# Altium PCB EASY-EAI-Nano-TB V1.01.PCBDOC (part 7 of 7)
Units mm, origin at the board's own origin, x right, y up, seen from the top; angles counter-clockwise.
Board outline 120 x 90 mm, 4 copper layers (Top Layer, GND, VCC, Bottom Layer); 667 components, 452 nets, 2251 pads, 1430 vias.
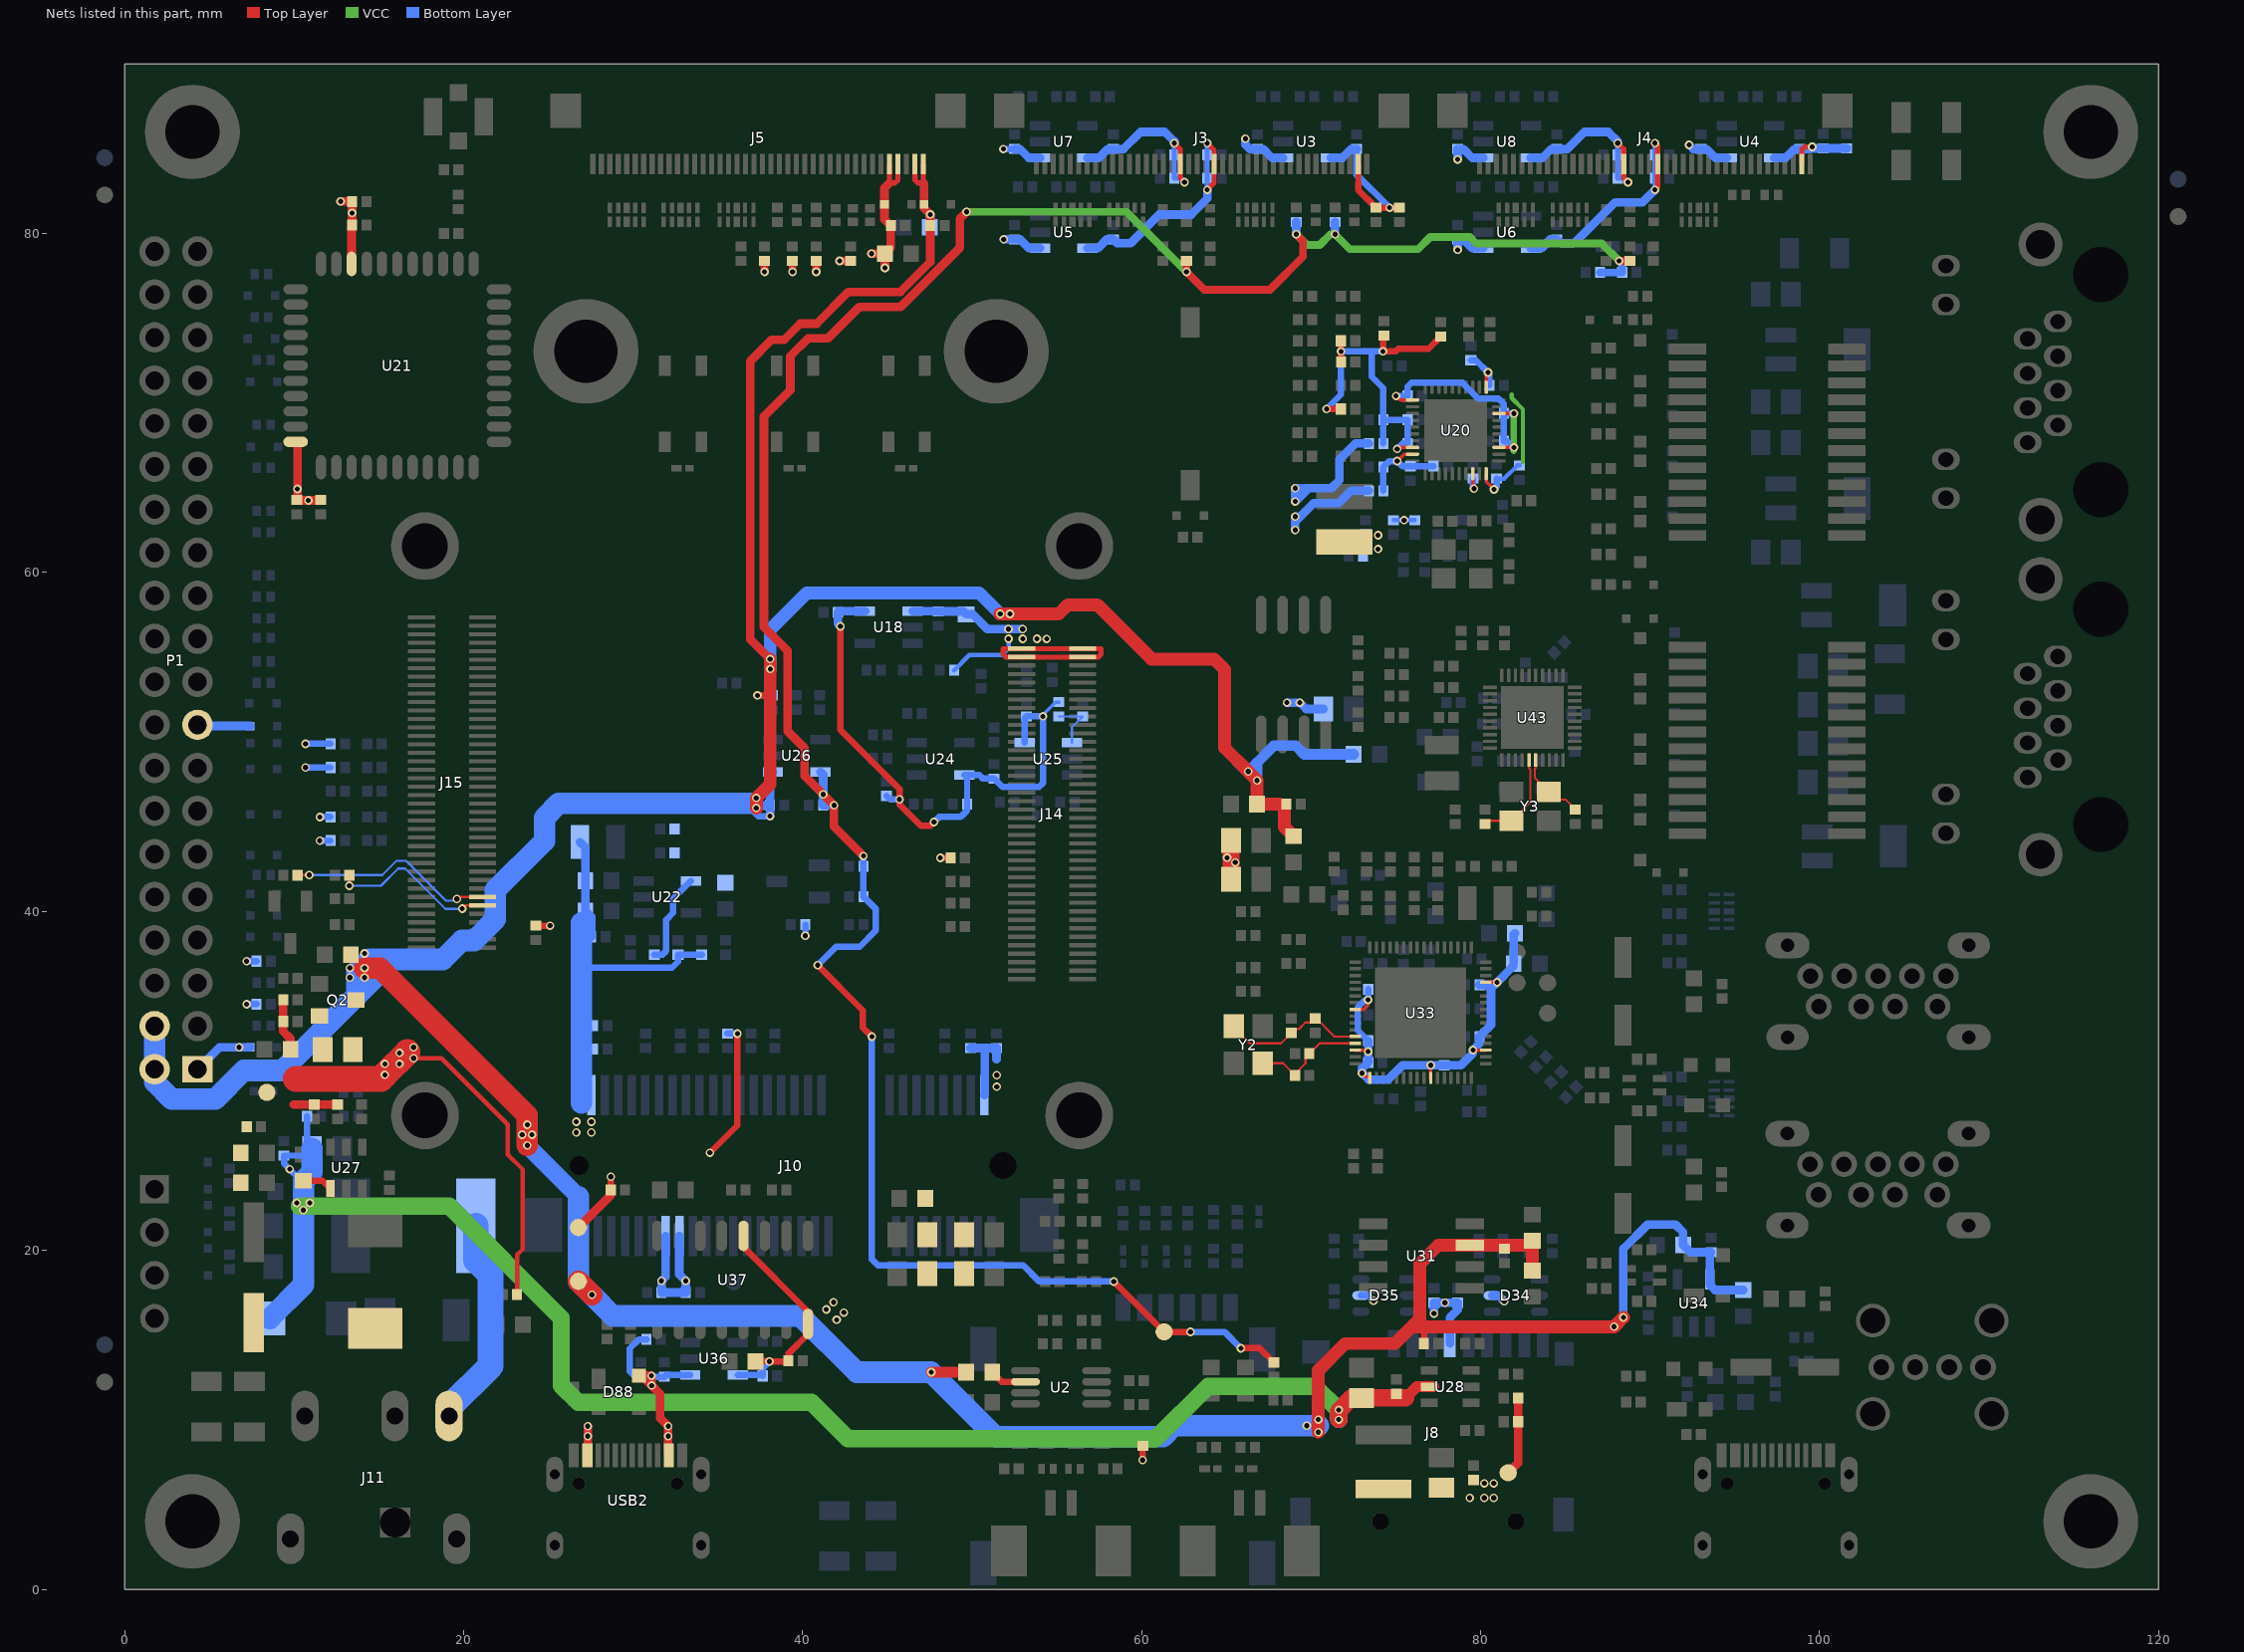
[diagram p9: the nets of this part, all layers, seen from the top]

## Via types
v1: diameter 0.508, hole 0.305, Top Layer to Bottom Layer, tented both sides, 1430 vias

## Nets (pads, with @x,y where several pads share a name; then routed paths per layer and width w, separated by ;. In a path a pad name is that pad's centre, name@x,y a point inside that pad or via, vN(x,y) a via of type N, cw(c..) or ccw(c..) an arc to the next point about the centre after c; other vN are vias at no path point) (continued)
VCC3V3: C15.2 C17.2 C23.2 C25.2 C31.2 C33.2 C55.2 C56.2 C90.2 C91.2 C93.2 C94.2 C95.2 C96.2 C149.2 C150.2 C151.2 D14.1 D34.5 D35.5 D45.2 D47.2 J5.4 J5.5 J8.4 L12.2 P1.1 P1.17 R5.2 R30.1 R31.1 R34.2 R39.1 R77.1 R82.1 R104.1 R108.1 R109.1 R110.1 R114.2 R124.2 R152.2 R156.1 R157.1 R158.1 R160.1 R224.1 R225.2 T6.1 U3.1 U4.1 U5.1 U6.1 U7.1 U8.1 U21.9 U21.22 | length 80.6
  Top Layer w0.305: J5.5@45.129,84.101 45.129,82.989 45.452,82.989 45.621,83.158 45.621,83.412 45.629,83.42 J5.4@45.629,84.101
  Top Layer w0.381: R124.2@24.257,39.16 v1(25.102,39.16) ; v1(48.134,43.162) R225.2@48.734,43.162 ; v1(60.071,7.62) R5.2@60.071,8.465
  Top Layer w0.457: v1(37.76,77.745) R34.2@37.76,78.392 ; v1(39.411,77.745) R30.1@39.411,78.392 ; v1(40.808,77.745) R31.1@40.808,78.392 ; v1(42.193,78.392) R224.1@42.84,78.392
  Top Layer w0.508: U21.22@10.095,67.714 10.2,67.609 v1(10.2,64.935) 10.2,64.256 v1(10.846,64.256) C95.2@11.597,64.256 ; v1(12.751,81.897) C93.2@13.428,81.897 v1(13.428,81.22) C94.2@13.428,80.5 13.395,80.467 U21.9@13.395,78.214 ; v1(44.072,78.817) C56.2@44.864,78.817 ; v1(44.864,77.977) C56.2@44.864,78.817 ; 45.129,82.989 44.834,82.694 D14.1@44.834,81.738 44.834,80.843 C55.2@45.209,80.468 45.209,79.162 C56.2@44.864,78.817 ; T6.1@81.634,6.879 82.223,7.467 C149.2@82.223,9.888 R152.2@82.223,11.285
  Top Layer w1.016: R158.1@65.287,41.892 R160.1@65.287,44.178
  Bottom Layer w0.381: v1(7.203,34.526) R156.1@7.785,34.526 ; v1(7.203,37.066) R157.1@7.785,37.066 ; v1(10.678,48.496) R104.1@12.16,48.496 ; v1(10.678,49.893) R108.1@12.16,49.893 ; v1(11.524,44.178) R110.1@12.16,44.178 ; v1(11.524,45.575) R109.1@12.16,45.575 ; v1(40.166,38.568) R114.2@40.166,39.225 ; v1(51.85,84.996) C31.2@52.492,84.996 ; D35.5@72.94,17.338 73.375,17.338 v1(73.684,17.028)
  Bottom Layer w0.508: P1.1@4.31,30.69 5.606,31.986 v1(6.763,31.986) D47.2@7.41,31.986 ; P1.17@4.31,51.01 4.373,50.947 D45.2@7.41,50.947 ; v1(51.876,79.662) C23.2@52.492,79.662 52.823,79.662 53.348,79.137 U5.1@54.013,79.137 ; C31.2@52.492,84.996 52.823,84.996 53.348,84.471 U7.1@54.013,84.471 ; v1(66.131,85.604) 66.131,85.257 66.392,84.996 C15.2@66.843,84.996 67.174,84.996 67.699,84.471 U3.1@68.364,84.471 ; v1(68.58,52.324) v1(69.342,52.324) 69.723,51.943 R39.1@70.738,51.943 ; v1(69.066,62.514) 69.066,62.996 ; R82.1@73.416,64.825 72.368,64.825 71.634,64.091 70.161,64.091 69.371,63.301 ; R77.1@73.416,67.619 72.623,67.619 71.682,66.678 71.682,65.46 71.199,64.977 69.853,64.977 ; v1(77.258,16.273) C91.2@77.258,16.913 v1(77.898,16.913) C90.2@78.655,16.913 78.655,16.492 78.187,16.024 J8.4@78.187,14.5 ; v1(78.654,79.046) C25.2@78.654,79.662 78.985,79.662 79.51,79.137 U6.1@80.175,79.137 ; v1(78.654,84.38) C33.2@78.654,84.996 78.985,84.996 79.51,84.471 U8.1@80.175,84.471 ; D34.5@80.687,17.338 81.055,17.338 v1(81.396,16.997) ; v1(92.308,85.238) 92.55,84.996 C17.2@93.005,84.996 93.336,84.996 93.861,84.471 U4.1@94.526,84.471 ; 69.066,62.996 v1(69.066,63.301) 69.371,63.301 ; 69.066,62.996 69.371,63.301 ; 69.853,64.977 v1(69.066,64.977) v1(69.066,64.19) 69.853,64.977
  other v1: 79.364,5.389 80.228,5.389 80.787,5.389 80.228,6.253 80.787,6.253 65.536,42.893 65.047,43.168
VCC3V3_CH340: C213.2 C215.2 C216.2 U36.5 U37.4 U37.16 | length 13.9
  Top Layer w0.381: U37.4@36.514,20.857 36.514,20.196 40.324,16.386 U37.16@40.324,15.657 40.324,15.057 39.168,13.901 C215.2@39.168,13.475 39.138,13.444 v1(38.045,13.444) ; C216.2@37.229,13.444 37.26,13.475 v1@38.045,13.475
  Bottom Layer w0.381: U36.5@36.176,12.655 37.587,12.655 C213.2@37.653,12.589 37.653,13.051 v1(38.045,13.444)
VCC3V3_PHY1: C77.2 C78.2 C79.2 C84.2 C85.2 R65.2 R67.2 R69.2 R82.2 R83.1 U20.11 U20.29 U20.40 | length 17.8
  Top Layer w0.203: v1(75.086,66.578) 75.489,66.981 U20.29@75.99,66.981 ; U20.40@80.34,65.831 80.34,65.362 v1(80.801,64.901) ; U20.11@80.34,70.931 80.34,71.705 v1(80.445,71.81)
  VCC w0.254: 81.835,70.514 81.835,70.293 82.499,69.629 82.499,66.53
  Bottom Layer w0.254: R65.2@74.857,63.091 R67.2@76.127,63.091 ; C78.2@80.953,65.543 81.395,65.543 82.172,66.32 R69.2@82.306,66.32
  Bottom Layer w0.381: R82.2@74.266,64.825 C77.2@74.266,66.222 74.622,66.578 v1(75.086,66.578) 75.397,66.266 C85.2@75.873,66.266 C84.2@77.219,66.266 ; R83.1@79.429,72.528 79.727,72.528 v1(80.445,71.81) 80.528,71.727 C79.2@80.528,71.048 ; v1(80.801,64.901) 80.953,65.054 C78.2@80.953,65.543
  other v1: 75.492,63.091
VCC5V0_BASE: C58.2 C60.2 C134.2 C135.2 C140.2 C141.1 C142.2 C143.2 C144.2 J14.77 J14.78 J14.79 J14.80 L11.2 Q2.2 R38.1 R143.1 R144.2 R146.2 R198.1 T5.1 U18.1 | length 54.3
  Top Layer w0.254: v1(17.053,31.339) 18.699,31.339 22.606,27.432 22.606,25.654 23.495,24.765 23.495,20.066 23.158,19.729 R198.1@23.158,17.399
  Top Layer w0.305: 51.837,55.17 51.997,55.01 J14.78@52.925,55.01 J14.77@56.524,55.01 57.452,55.01 57.611,55.17 57.611,55.51 J14.79@56.524,55.511 J14.80@52.925,55.511 51.837,55.51 51.837,55.17
  Top Layer w0.508: C135.2@9.364,34.78 R144.2@9.364,33.51 9.364,32.914 9.797,32.481 C134.2@9.797,31.859 ; 9.964,28.601 C140.2@11.186,28.601 R146.2@12.583,28.601
  Top Layer w1.524: 10.092,30.119 15.122,30.119 v1(15.36,30.357) 16.696,31.694
  Bottom Layer w0.254: R38.1@48.939,54.229 49.847,55.137 51.777,55.137 52.156,55.517 v1(52.156,56.091)
  Bottom Layer w0.508: U18.1@46.485,57.719 47.989,57.719 C60.2@48.006,57.702 49.494,57.702 C58.2@49.657,57.539 50.03,57.539 50.902,56.667 v1(52.146,56.667) v1(52.984,56.667)
  other v1: 15.36,31.004 16.223,31.004 16.223,31.652 17.053,31.986 52.994,56.091 53.833,56.091 54.407,56.083
VCC5V0_CH340: C211.2 C212.2 D88.4 R203.2 U36.1 USB2.A4 USB2.A9 USB2.B4 USB2.B9 | length 16.8
  Top Layer w0.508: USB2.A4@27.304,7.493 USB2.A4@27.304,8.048 ; USB2.B9@27.331,8.075 v1(27.331,9.037) v1(27.331,9.627) ; D88.4@30.355,12.609 D88.4@30.51,12.609 ; v1@31.09,12.034 31.09,12.028 D88.4@30.51,12.609 ; USB2.B4@32.077,8.075 v1@32.077,9.017 ; v1(32.077,9.037) v1(32.077,9.627) 31.608,10.096 31.608,11.516 31.099,12.026 v1(31.093,12.026) 31.093,12.595 v1(31.09,12.598) 31.079,12.609 D88.4@30.51,12.609 ; USB2.B4@32.104,7.493 USB2.B4@32.104,8.048
  Bottom Layer w0.381: R203.2@30.795,14.748 30.352,14.748 29.808,14.204 29.808,12.859 30.122,12.545 C211.2@30.458,12.545 C211.2@30.571,12.545 ; v1@31.09,12.026 C211.2@30.571,12.545 ; v1(31.093,12.026) v1@31.093,12.595 ; U36.1@33.376,12.655 31.965,12.655 C212.2@31.855,12.545 31.143,12.545 v1@31.093,12.595 ; C211.2@30.571,12.545 31.037,12.545 v1(31.09,12.598) v1@31.093,12.595
VCC12V_DCIN: F1.1 J11.1 | length 12.6
  Bottom Layer w1.524: J11.1@19.146,10.229 19.146,10.736 21.6,13.19 21.6,18.551 20.728,19.423 F1.1@20.728,21.445
VCC_1V2_CAM0: C32.2 C49.2 C50.2 J3.23 U7.5 | length 11.4
  Top Layer w0.305: v1(61.934,85.338) 62.291,84.981 J3.23@62.291,84.101 62.291,83.28 v1(62.539,83.032)
  Bottom Layer w0.305: v1(61.934,85.338) C50.2@61.934,84.659 C49.2@61.934,83.262 62.309,83.262 v1(62.539,83.032)
  Bottom Layer w0.508: U7.5@56.813,84.471 57.486,84.471 58.011,84.996 C32.2@58.334,84.996 58.936,84.996 59.944,86.004 61.369,86.004 61.934,85.44 v1(61.934,85.338)
VCC_1V2_CAM1: C34.2 C51.2 C52.2 J4.23 U8.5 | length 11.4
  Top Layer w0.305: v1(88.096,85.338) 88.453,84.981 J4.23@88.453,84.101 88.453,83.28 v1(88.701,83.032)
  Bottom Layer w0.305: v1(88.096,85.338) C52.2@88.096,84.659 C51.2@88.096,83.262 88.471,83.262 v1(88.701,83.032)
  Bottom Layer w0.508: U8.5@82.975,84.471 83.648,84.471 84.173,84.996 C34.2@84.496,84.996 85.123,84.996 86.131,86.004 87.531,86.004 88.096,85.44 v1(88.096,85.338)
VCC_1V8: C132.2 R9.1 R16.2 R17.2 R18.1 R20.1 R22.1 R24.1 R115.2 R116.2 T3.1 U26.5 | length 153.8
  Top Layer w0.381: v1(40.894,36.83) 43.561,34.163 43.561,33.147 v1(44.094,32.614) ; v1(58.363,18.161) T3.1@61.334,15.189 v1(62.89,15.189) ; v1(65.862,14.224) 66.973,14.224 R9.1@67.818,13.379
  Top Layer w0.457: R16.2@62.652,78.392 v1(62.652,77.745) 63.707,76.69 67.571,76.69 69.527,78.646 69.527,79.561 v1(69.129,79.959) ; v1(88.177,78.392) R17.2@88.814,78.392
  Top Layer w0.508: v1(43.595,43.271) 41.861,45.005 v1(41.861,46.266) 40.114,48.013 40.114,49.638 39.116,50.636 39.116,55.389 37.722,56.783 37.722,69.21 39.284,70.773 39.284,72.772 40.338,73.825 41.498,73.825 43.343,75.67 45.79,75.67 49.286,79.166 49.286,80.881 49.682,81.277 v1(49.682,81.28)
  VCC w0.457: v1(49.682,81.28) 59.117,81.28 v1(62.652,77.745) ; v1(69.129,79.959) 69.756,79.332 70.513,79.332 71.141,79.959 v1(71.415,79.959) 72.296,79.078 76.312,79.078 77.038,79.804 79.369,79.804 79.762,79.412 87.157,79.412 v1(88.177,78.392)
  Bottom Layer w0.381: v1(40.894,36.83) 41.986,37.922 43.375,37.922 44.333,38.88 44.333,40.138 R116.2@43.595,40.876 R115.2@43.595,42.654 v1(43.595,43.271) ; v1(44.094,32.614) 44.094,19.464 44.453,19.106 53.03,19.106 53.975,18.161 v1(58.363,18.161) ; v1(62.89,15.189) 64.897,15.189 v1(65.862,14.224)
  Bottom Layer w0.457: R24.1@87.049,77.706 R20.1@88.358,77.706 88.358,78.211 v1(88.177,78.392)
  Bottom Layer w0.508: U26.5@41.053,48.237 41.221,48.069 C132.2@41.221,46.266 v1(41.861,46.266) ; v1(69.129,79.959) R22.1@69.129,80.678 ; v1(71.415,79.959) R18.1@71.415,80.678
  other v1: 41.221,46.906
VCC_1V8_CAM0: C24.2 C45.2 C46.2 J3.19 U5.5 | length 14.8
  Top Layer w0.305: v1(63.878,82.583) 64.291,82.996 J3.19@64.291,84.101 64.291,84.925 v1(63.878,85.338)
  Bottom Layer w0.305: v1(63.878,82.583) C45.2@63.878,83.262 C46.2@63.878,84.659 v1(63.878,85.338)
  Bottom Layer w0.508: U5.5@56.813,79.137 57.434,79.137 57.959,79.662 C24.2@58.334,79.662 58.558,79.438 59.357,79.438 61.042,81.123 62.932,81.123 63.878,82.07 v1(63.878,82.583)
VCC_1V8_CAM1: C26.2 C47.2 C48.2 J4.19 U6.5 | length 14.6
  Top Layer w0.305: v1(90.294,82.583) 90.453,82.742 J4.19@90.453,84.101 90.453,85.179 v1(90.294,85.338)
  Bottom Layer w0.305: v1(90.294,82.583) C47.2@90.294,83.262 C48.2@90.294,84.659 v1(90.294,85.338)
  Bottom Layer w0.508: U6.5@82.975,79.137 83.596,79.137 84.121,79.662 C26.2@84.496,79.662 84.732,79.426 85.522,79.426 87.943,81.847 89.558,81.847 v1(90.294,82.583)
VCC_2V8_CAM0: C16.2 C41.2 C42.2 J3.2 U3.5 | length 10.4
  Top Layer w0.305: 72.791,83.004 J3.2@72.791,84.101
  Top Layer w0.381: 72.791,83.004 72.791,82.565 C41.2@73.828,81.528 v1(74.634,81.528) C42.2@75.225,81.528
  Bottom Layer w0.381: C16.2@72.685,84.996 72.685,83.477 v1(74.634,81.528)
  Bottom Layer w0.508: U3.5@71.164,84.471 71.837,84.471 72.362,84.996 C16.2@72.685,84.996
VCC_2V8_CAM1: C18.2 C43.2 C44.2 J4.2 U4.5 | length 6.1
  Top Layer w0.305: J4.2@98.953,84.101 98.953,84.955 99.113,85.115 v1(99.568,85.115)
  Bottom Layer w0.508: U4.5@97.326,84.471 97.999,84.471 98.524,84.996 C18.2@98.847,84.996 99.449,84.996 v1(99.568,85.115) 99.655,85.028 C44.2@100.213,85.028 C43.2@101.61,85.028
VCC_4G: C104.2 C105.2 C106.2 C107.2 C108.2 C109.2 C110.2 C111.2 C113.2 C114.2 C115.2 C116.2 C117.2 C118.2 C119.2 J10.2 J10.39 J10.41 J10.52 L10.2 R117.2 R121.2 R130.2 T2.1 | length 49.5
  Top Layer w0.381: R121.2@28.685,23.569 v1(28.685,24.338) ; v1(34.534,25.76) 36.145,27.372 v1@36.145,32.792
  Top Layer w0.508: T2.1@26.776,21.347 28.685,23.255 R121.2@28.685,23.569
  Bottom Layer w0.381: 26.946,36.683 32.298,36.683 32.655,37.04 C111.2@32.655,37.444 R130.2@34.052,37.444 ; R117.2@35.57,32.792 v1(36.161,32.792)
  Bottom Layer w0.508: L10.2@26.872,44.092 27.186,43.778 C109.2@27.186,41.806 C108.2@27.186,40.028 27.531,39.683 C110.2@27.531,38.504 ; J10.41@31.929,20.853 31.929,18.449 v1(31.679,18.199) C118.2@31.679,17.508 C119.2@33.115,17.508 v1@33.115,18.124 ; J10.39@32.729,20.853 32.729,18.584 v1(33.115,18.199) ; C117.2@49.921,31.942 50.759,31.942 ; J10.2@50.729,29.153 50.759,29.183 50.759,31.942 ; 51.445,31.284 C114.2@51.445,31.942 50.759,31.942
  Bottom Layer w1.27: 26.946,28.696 26.946,39.321
  other v1: 42.012,15.901 42.443,16.332 41.402,16.512 41.833,16.943 26.655,26.957 27.544,26.957 26.655,27.592 27.544,27.592 51.457,29.654 51.457,30.339
VCC_5V: C53.2 C54.2 C101.2 C102.2 C103.2 C131.2 C136.2 C152.2 C153.1 C164.2 C227.2 C228.1 D13.1 D44.2 D46.2 J5.1 J5.2 L1.1 L13.1 L16.1 L17.1 L20.1 L21.1 P1.2 P1.4 Q2.3 R131.2 R141.1 R143.2 R153.1 T4.1 U22.4 U26.1 U31.7 U34.5 | length 296
  Top Layer w0.305: J5.2@46.629,84.101 46.629,83.42 46.637,83.412 46.637,83.158 46.806,82.989 47.129,82.989 J5.1@47.129,84.101
  Top Layer w0.381: v1(37.338,52.749) 38.092,52.749 ; R153.1@76.662,14.5 76.662,15.494
  Top Layer w0.508: v1(38.092,54.89) 36.918,56.063 36.918,72.475 38.186,73.744 38.923,73.744 39.869,74.689 40.834,74.689 42.707,76.563 45.777,76.563 47.54,78.326 C53.2@47.54,80.468 v1(47.54,81.128) 47.165,81.503 D13.1@47.165,81.738 47.165,82.953 47.129,82.989
  Top Layer w0.635: v1(47.592,12.809) L1.1@49.659,12.809
  Top Layer w0.762: v1(37.272,46.108) v1(37.272,46.693) 38.092,47.512 38.092,52.749 38.092,54.297 v1(38.1,54.305) 38.092,54.314 v1(38.092,54.89) ; v1(51.664,57.556) 51.666,57.559 v1(52.24,57.559) 55.12,57.559 55.66,58.099 57.389,58.099 60.591,54.897 64.28,54.897 64.897,54.279 64.897,49.657 v1(66.294,48.26) v1(66.82,47.734) C152.2@66.82,46.337 68.143,46.337 68.421,46.06 68.421,44.99 L13.1@68.971,44.44 ; v1(70.434,9.271) v1(70.434,10.012) 70.434,12.92 72.014,14.5 74.952,14.5 75.946,15.494 ; L17.1@83.058,18.804 L16.1@83.058,20.566 82.794,20.302 U31.7@79.37,20.302 77.503,20.302 76.429,19.228 76.429,15.977 ; v1(88.43,16.04) v1(87.884,15.494) 76.662,15.494 ; 75.946,15.494 76.429,15.977 ; 75.946,15.494 76.662,15.494 ; 76.429,15.977 76.429,15.727 76.662,15.494
  Top Layer w1.27: v1(14.158,36.66) 15.071,36.66 23.759,27.972 v1(23.759,27.412) v1(23.759,26.192) ; T4.1@26.776,18.174 v1(27.569,17.381)
  Bottom Layer w0.381: R131.2@31.258,37.444 31.731,37.444 31.961,37.674 31.961,39.504 32.369,39.913 32.369,40.752 U22.4@33.423,41.806 ; 37.043,46.369 37.043,45.981 37.399,45.626 v1(38.085,45.626) ; v1(37.338,52.749) R141.1@38.227,52.749
  Bottom Layer w0.508: v1@37.426,46.245 C131.2@38.067,46.245 ; v1(38.085,45.626) C131.2@38.085,46.266 38.085,48.069 U26.1@38.253,48.237 ; C54.2@47.516,80.373 47.54,80.397 v1(47.54,81.128) ; v1(87.884,15.494) v1(88.43,16.04) 88.43,20.104 89.855,21.529 91.501,21.529 91.956,21.074 C228.1@91.956,20.32 92.381,19.895 C227.2@93.599,19.895 93.533,19.829 U34.5@93.533,18.291 93.533,17.966 93.838,17.661 L20.1@95.504,17.661
  Bottom Layer w0.635: L21.1@72.509,49.276 69.596,49.276 69.088,49.784 67.818,49.784 66.82,48.786 ; 66.82,48.786 v1(66.82,47.734) v1(66.294,48.26) 66.82,48.786
  Bottom Layer w0.762: v1(38.1,54.305) 38.092,54.314 v1(38.092,54.89) 38.092,56.634 40.259,58.801 50.419,58.801 v1(51.664,57.556) 51.666,57.559 v1@52.19,57.559
  Bottom Layer w1.016: v1@23.759,27.393 v1(23.759,26.192) 26.776,23.174
  Bottom Layer w1.27: P1.4@1.77,33.23 P1.2@1.77,30.69 1.77,29.942 2.774,28.938 5.369,28.938 7.047,30.615 9.299,30.615 13.716,35.033 ; 26.776,23.174 26.776,18.174 v1(27.569,17.381) 28.821,16.129 39.878,16.129 43.198,12.809 v1(47.592,12.809) 51.384,9.017 61.268,9.017 61.903,9.652 v1(69.748,9.652) 70.434,9.652 ; 37.043,46.369 25.616,46.369 24.782,45.536 24.782,44.159 21.879,41.257 21.879,39.53 20.635,38.285 19.898,38.285 18.781,37.168 15.851,37.168 ; 13.716,35.033 13.716,36.45 14.434,37.168 15.851,37.168 ; 13.716,35.033 15.851,37.168
  other v1: 23.454,26.83 24.041,26.825 13.294,36.101 14.158,36.101 13.294,36.66 14.158,37.523
VCC_5V_AUDIO: L1.2 U2.6 | length 2.2
  Top Layer w0.381: L1.2@51.199,12.809 51.763,12.245 U2.6@53.155,12.245
VCC_12V: C127.2 C128.2 C129.2 C130.2 C138.2 C139.2 C147.2 C148.2 D42.2 R145.2 U27.4 U28.5 | length 97.7
  Top Layer w0.381: C139.2@10.551,24.104 11.681,24.104 U27.4@12.141,23.644
  Top Layer w0.635: 75.576,11.29 76.245,11.959 U28.5@76.975,11.959 U28.5@77.258,11.959
  Top Layer w1.016: v1(71.638,10.015) 71.638,10.539 72.389,11.29 C147.2@72.993,11.29 75.576,11.29
  VCC w1.016: v1@10.308,22.607 19.168,22.607 25.761,16.014 25.761,12.034 26.764,11.031 40.531,11.031 42.672,8.89 60.84,8.89 63.929,11.979 70.22,11.979 71.638,10.562 v1(71.638,10.015)
  Bottom Layer w0.381: C127.2@10.432,23.477 10.432,24.103 v1(9.744,24.791) 9.408,25.127 C130.2@9.408,25.592 10.633,25.592 C138.2@11.058,26.017 10.761,26.314 R145.2@10.761,27.922
  Bottom Layer w1.27: D42.2@8.578,15.984 10.552,17.958 C128.2@10.552,19.032 C129.2@10.552,21.445 10.552,24.113 11.058,24.619 C138.2@11.058,26.017
  other v1: 71.638,10.587 10.544,22.376 10.159,22.805 10.928,22.805
VCCIO_PHY1: C73.2 C74.2 C75.2 R72.2 R76.2 R77.2 R79.2 R81.2 R84.2 U20.28 | length 23.3
  Top Layer w0.203: v1(75.086,67.289) 75.178,67.381 U20.28@75.99,67.381
  Top Layer w0.381: v1(70.92,69.651) R76.2@71.765,69.651 ; R81.2@71.765,73.673 71.77,73.668 v1(71.77,73.048) R79.2@71.77,72.428 ; R72.2@74.305,73.979 74.247,73.921 v1(74.247,73.048) 74.982,73.048 75.141,73.207 76.933,73.207 R84.2@77.651,73.925
  Bottom Layer w0.381: v1(70.92,69.651) 71.77,70.501 v1(71.77,73.048) 73.582,73.048 ; v1(74.247,73.048) 73.582,73.048 ; R77.2@74.266,67.619 C73.2@74.266,69.016 ; v1(75.086,67.289) 75.416,67.619 C75.2@75.702,67.619 C74.2@75.702,69.016 C73.2@74.266,69.016 ; 73.582,73.048 73.582,71.561 74.266,70.877 C73.2@74.266,69.016
VDD10_PHY1: C81.2 C82.2 C83.2 C86.2 C87.2 C88.2 L7.2 U20.3 U20.8 U20.21 U20.38 | length 17.6
  Top Layer w0.203: v1(75.014,70.422) 75.255,70.181 U20.21@75.99,70.181 ; v1@79.54,64.952 U20.38@79.54,65.831 ; U20.3@81.09,67.381 v1(81.969,67.381) ; U20.8@81.09,69.381 v1(81.969,69.381)
  VCC w0.381: v1@81.969,67.193 v1(81.969,67.381) v1(81.969,69.381)
  Bottom Layer w0.381: v1@75.023,70.413 C83.2@75.702,70.413 75.702,70.972 75.931,71.2 78.921,71.2 79.861,70.261 81.055,70.261 81.378,69.937 C86.2@81.378,69.397 ; C88.2@79.556,65.543 79.556,65.012 v1(79.616,64.952) ; v1(81.969,67.381) 81.604,67.746 C87.2@81.378,67.746 C86.2@81.378,69.397 ; v1(81.969,69.381) 81.953,69.397 C86.2@81.378,69.397
  other v1: 73.959,61.387 73.959,62.2
VP12: C183.1 C184.1 C185.1 C186.1 C187.1 C188.1 C189.1 L18.2 U33.3 U33.13 U33.40 U33.46 U33.49 U33.58 | length 26.5
  Top Layer w0.203: U33.46@72.614,31.818 73.285,31.818 v1(73.371,31.732) ; U33.40@72.614,34.218 73.107,34.218 73.361,34.472 v1(73.361,34.78) ; v1(73.014,30.458) 73.215,30.256 U33.49@73.456,30.256 ; U33.58@77.064,30.168 v1(77.064,30.925) ; v1(79.557,31.818) U33.3@80.314,31.818 ; U33.13@80.314,35.818 v1(80.98,35.818)